# Altium PCB 11BRANMB10H2_20170927.pcbdoc (part 9 of 11) (continued)
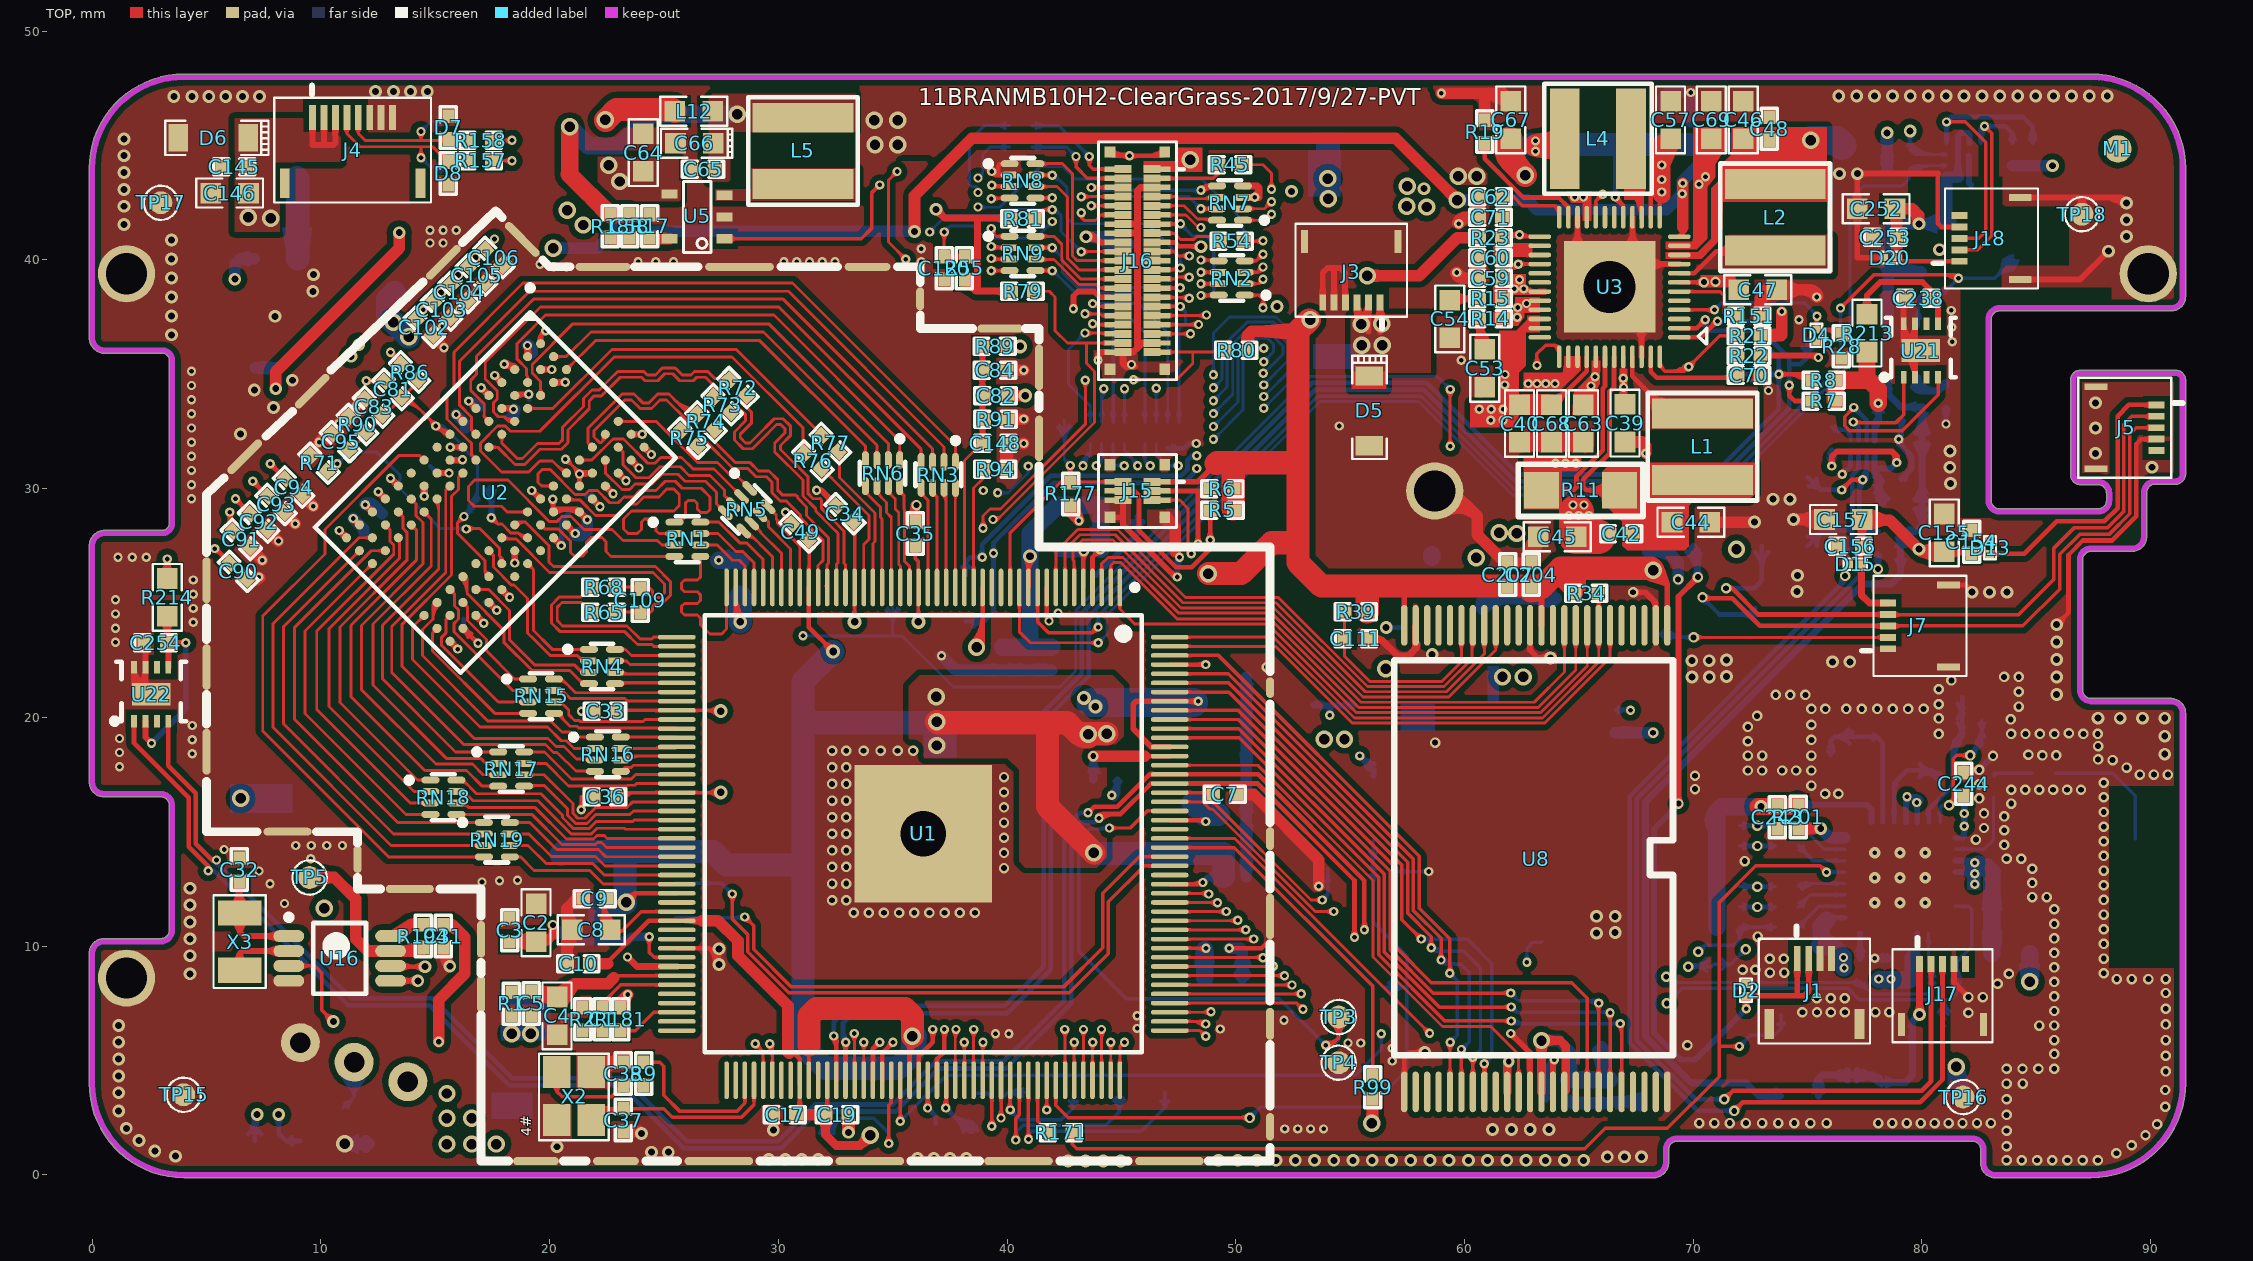
[diagram p0: TOP view]
## Nets (pads, with @x,y where several pads share a name; then routed paths per layer and width w, separated by ;. In a path a pad name is that pad's centre, name@x,y a point inside that pad or via, vN(x,y) a via of type N, cw(c..) or ccw(c..) an arc to the next point about the centre after c; other vN are vias at no path point) (continued)
  BOTTOM w0.203: v1@5.131,13.284 5.334,13.284 ; v1@5.14,13.226 cw(c5.281,13.084) 5.281,13.284 ; v1@5.142,13.367 ccw(c5.334,13.549) 5.334,13.284 ; v1(44.018,15.596) 43.84,15.418 43.205,15.418 42.799,15.012 42.799,7.493 39.954,4.648 37.008,4.648 35.128,2.769 31.725,2.769 30.122,1.166 25.86,1.166 23.115,3.912 18.238,3.912 14.733,7.417 11.201,7.417 5.334,13.284 ; v2(71.437,25.65) 72.677,25.65 73,25.972 TP36.1@73,27.5 ; v1(77,32.918) 77.231,32.687 U20.6@77.231,32.11 ; U10.4@82.576,45.119 82.576,45.695 82.728,45.847 v1(82.74,45.847) 83.654,45.847 83.96,45.542 R3.2@83.96,45.123 ; 71.744,25.65 ccw(c71.744,25.343) 71.527,25.56 cw(c71.744,25.343) 71.744,25.65 ; 71.744,25.65 cw(c71.744,25.956) 71.527,25.739 ccw(c71.744,25.956) 71.744,25.65 ; 73,26.538 ccw(c72.038,26.538) 72.718,27.218 cw(c72.038,26.538) 73,26.538 ; 73,26.538 cw(c73.962,26.538) 73.282,27.218 ccw(c73.962,26.538) 73,26.538 ; 77.173,32.745 ccw(c77,32.572) 77,32.817 cw(c77,32.572) 77.173,32.745 ; 77.173,32.745 cw(c77.346,32.918) 77.101,32.918 ccw(c77.346,32.918) 77.173,32.745 ; v1@82.812,45.775 cw(c82.985,45.602) 82.985,45.847 ; v1@82.812,45.775 ccw(c83.381,45.206) 82.576,45.206 cw(c83.381,45.206) v1@82.812,45.775 ; v1@82.812,45.775 cw(c82.985,45.602) 82.985,45.847 ; 82.985,45.847 cw(c82.985,46.092) 82.812,45.919 ccw(c82.985,46.092) 82.985,45.847 ; 83.96,45.532 ccw(c84.318,45.532) 84.065,45.278 cw(c84.318,45.532) 83.96,45.532 ; 83.96,45.532 cw(c83.601,45.532) 83.855,45.278 ccw(c83.601,45.532) 83.96,45.532 ; 82.576,45.696 cw(c82.891,45.696) 82.668,45.919 ccw(c82.891,45.696) 82.576,45.696
UART0_RX: TP55.1 U1.112 | length 46.4
  TOP w0.203: U1.112@36.935,4.133 36.935,5.064 37.26,5.389 v1(37.26,6.358) ; 37.26,6.113 ccw(c37.015,6.113) 37.188,6.286 cw(c37.015,6.113) 37.26,6.113 ; 37.26,6.113 cw(c37.505,6.113) 37.332,6.286 ccw(c37.505,6.113) 37.26,6.113
  Singal w0.203: v3(8.153,2.641) 7.518,3.276 7.518,6.406 8.334,7.221 15.134,7.221 18.169,4.187 35.558,4.187 37.26,5.889 v1(37.26,6.358) ; 7.85,2.945 ccw(c8.153,3.248) 8.153,2.819 cw(c8.153,3.248) 7.85,2.945 ; 7.85,2.945 cw(c7.546,2.641) 7.976,2.641 ccw(c7.546,2.641) 7.85,2.945 ; 37.26,6.113 ccw(c37.015,6.113) 37.188,6.286 cw(c37.015,6.113) 37.26,6.113 ; 37.26,6.113 cw(c37.505,6.113) 37.332,6.286 ccw(c37.505,6.113) 37.26,6.113
  BOTTOM w0.203: v3(8.153,2.641) 8.153,1.803 8.479,1.477 ; TP55.1@9.1,1.477 8.479,1.477 ; 8.153,2.212 ccw(c7.724,2.212) 8.028,2.516 cw(c7.724,2.212) 8.153,2.212 ; 8.153,2.212 cw(c8.583,2.212) 8.279,2.516 ccw(c8.583,2.212) 8.153,2.212 ; 8.479,1.477 ccw(c8.479,1.747) 8.73,1.647 cw(c8.479,1.747) 8.479,1.477 ; 8.479,1.477 cw(c8.479,1.175) 8.747,1.315 ccw(c8.479,1.175) 8.479,1.477
UART0_TX: TP54.1 U1.110 | length 51.3
  TOP w0.203: U1.110@36.135,4.133 36.135,5.182 36.752,5.799 v1(36.752,6.358) ; 36.752,6.113 ccw(c36.507,6.113) 36.68,6.286 cw(c36.507,6.113) 36.752,6.113 ; 36.752,6.113 cw(c36.997,6.113) 36.824,6.286 ccw(c36.997,6.113) 36.752,6.113
  Singal w0.203: v3(7.214,2.641) 7.214,6.532 8.208,7.526 15.26,7.526 18.295,4.491 35.432,4.491 36.752,5.812 v1(36.752,6.358) ; 7.214,3.071 ccw(c7.643,3.071) 7.339,2.767 cw(c7.643,3.071) 7.214,3.071 ; 7.214,3.071 cw(c6.784,3.071) 7.088,2.767 ccw(c6.784,3.071) 7.214,3.071 ; 36.752,6.113 ccw(c36.507,6.113) 36.68,6.286 cw(c36.507,6.113) 36.752,6.113 ; 36.752,6.113 cw(c36.997,6.113) 36.824,6.286 ccw(c36.997,6.113) 36.752,6.113
  BOTTOM w0.203: TP54.1@6.915,1.853 ccw(c6.691,2.282) 7.159,2.157 ccw(c7.419,2.087) TP54.1@7.29,1.85 ; 7.066,2.251 ccw(c6.922,2.395) v3@7.078,2.527 ; TP54.1@7.1,1.477 TP54.1@7.1,1.5 7.1,2.528 v3(7.214,2.641) ; v3@7.116,2.493 cw(c7.011,2.332) 7.177,2.235 ; 7.002,2.096 cw(c7.625,1.929) v3@7.302,2.487 ; 7.002,2.096 cw(c7.625,1.929) v3@7.302,2.487 ; 7.002,2.096 cw(c7.625,1.929) v3@7.302,2.487 ; v3@7.06,2.553 cw(c6.875,2.446) 7.081,2.391 ; v3@7.06,2.553 cw(c6.875,2.446) 7.081,2.391 ; v3@7.06,2.553 cw(c6.875,2.446) 7.081,2.391 ; v3@7.1,2.462 ccw(c8.062,2.462) 7.382,1.782 cw(c8.062,2.462) v3@7.1,2.462 ; v3@7.1,2.462 cw(c6.138,2.462) 6.818,1.782 ccw(c6.138,2.462) v3@7.1,2.462 ; 7.159,2.242 cw(c7.348,2.293) v3@7.278,2.475 ; 7.159,2.242 cw(c7.348,2.293) v3@7.278,2.475 ; 7.159,2.242 cw(c7.348,2.293) v3@7.278,2.475 ; TP54.1@7.1,1.938 cw(c7.917,1.938) 7.339,2.516 ccw(c7.917,1.938) TP54.1@7.1,1.938
UBOOT: TP3.1 TP57.1 U1.157 | length 39.2
  TOP w0.152: v1(44.475,15.164) 45.39,15.164 46.134,15.908 U1.157@47.11,15.908 ; v1@44.565,15.074 cw(c44.782,14.857) 44.782,15.164 cw(c44.782,15.47) v1@44.565,15.254 ; 54.169,5.655 54.5,5.986 ; TP3.1@54.5,6.9 54.5,5.986 ; 54.5,5.986 cw(c54.019,6.468) 53.949,5.791 ccw(c54.019,6.468) 54.5,5.986 ; 54.5,5.987 ccw(c53.727,5.987) 54.226,6.576 cw(c53.727,5.987) 54.5,5.987 ; 54.5,5.987 cw(c55.273,5.987) 54.774,6.576 ccw(c55.273,5.987) 54.5,5.987 ; 54.5,6.315 ccw(c54.005,6.315) 54.325,6.693 cw(c54.005,6.315) 54.5,6.315 ; 54.5,6.315 cw(c54.995,6.315) 54.675,6.693 ccw(c54.995,6.315) 54.5,6.315 ; v1@53.934,5.639 ccw(c53.976,6.056) 54.273,5.76 cw(c53.976,6.056) v1@53.934,5.639
  BOTTOM w0.152: 44.107,15.138 ccw(c44.107,15.532) v1@44.386,15.254 ; 44.23,15.138 cw(c44.23,14.919) v1@44.386,15.074 ; v1(44.475,15.164) 44.45,15.138 43.612,15.138 43.137,14.663 43.137,9.784 45.224,7.696 51.904,7.696 v1(53.936,5.664) 54.255,5.664 54.5,5.91 ; TP57.1@54.5,6.877 54.5,5.91 ; 53.72,5.881 ccw(c53.936,6.098) 53.936,5.791 cw(c53.936,6.098) 53.72,5.881 ; 53.72,5.881 cw(c53.503,5.664) 53.809,5.664 ccw(c53.503,5.664) 53.72,5.881 ; 54.243,5.664 ccw(c54.243,5.358) 54.026,5.574 cw(c54.243,5.358) 54.243,5.664 ; 54.243,5.664 cw(c54.243,5.971) 54.026,5.754 ccw(c54.243,5.971) 54.243,5.664 ; 54.5,5.91 ccw(c53.555,5.91) 54.207,6.593 cw(c53.555,5.91) 54.5,5.91 ; 54.5,5.91 cw(c55.445,5.91) 54.793,6.593 ccw(c55.445,5.91) 54.5,5.91 ; 54.5,6.266 ccw(c53.895,6.266) 54.313,6.704 cw(c53.895,6.266) 54.5,6.266 ; 54.5,6.266 cw(c55.105,6.266) 54.687,6.704 ccw(c55.105,6.266) 54.5,6.266
USB0-DM: R157.2 U1.93 | length 55.3
  TOP w0.127: R157.2@17.48,44.342 v1(18.351,44.342) ; v1@28.986,5.724 cw(c28.935,5.474) 29.181,5.54 ; v1(28.989,5.736) 29.335,5.39 U1.93@29.335,4.133 ; v1@29.001,5.739 ccw(c29.251,5.79) 29.185,5.544 ; 17.98,44.342 ccw(c17.98,43.892) 17.662,44.21 cw(c17.98,43.892) 17.98,44.342 ; 17.98,44.342 cw(c17.98,44.792) 17.662,44.474 ccw(c17.98,44.792) 17.98,44.342 ; 18.014,44.342 ccw(c18.014,44.679) 18.253,44.441 cw(c18.014,44.679) 18.014,44.342 ; 18.014,44.342 cw(c18.014,44.005) 18.253,44.243 ccw(c18.014,44.005) 18.014,44.342 ; 29.227,5.498 ccw(c28.989,5.259) 28.989,5.596 cw(c28.989,5.259) 29.227,5.498 ; 29.227,5.498 cw(c29.466,5.736) 29.129,5.736 ccw(c29.466,5.736) 29.227,5.498
  Singal w0.127: v1(18.351,44.342) 18.758,44.748 23.304,44.748 26.17,41.883 26.17,24.202 28.989,21.382 v1(28.989,5.736) ; 18.59,44.58 ccw(c18.828,44.342) 18.491,44.342 cw(c18.828,44.342) 18.59,44.58 ; 18.59,44.58 cw(c18.351,44.819) 18.351,44.482 ccw(c18.351,44.819) 18.59,44.58 ; 28.989,6.073 ccw(c29.326,6.073) 29.088,5.835 cw(c29.326,6.073) 28.989,6.073 ; 28.989,6.073 cw(c28.652,6.073) 28.89,5.835 ccw(c28.652,6.073) 28.989,6.073
USB0-DP: R158.2 U1.94 | length 56.1
  TOP w0.127: R158.2@17.48,45.231 v1(18.351,45.231) ; 29.596,5.515 cw(c29.741,5.599) v1@29.632,5.726 ; v1(29.624,5.736) 29.735,5.625 U1.94@29.735,4.133 ; v1@29.631,5.596 cw(c29.636,5.502) 29.718,5.549 cw(c29.786,5.589) v1@29.728,5.642 ; 29.672,5.383 cw(c29.841,5.481) v1@29.714,5.63 ; 17.98,45.231 ccw(c17.98,44.781) 17.662,45.099 cw(c17.98,44.781) 17.98,45.231 ; 17.98,45.231 cw(c17.98,45.681) 17.662,45.363 ccw(c17.98,45.681) 17.98,45.231 ; 18.014,45.231 ccw(c18.014,45.568) 18.253,45.33 cw(c18.014,45.568) 18.014,45.231 ; 18.014,45.231 cw(c18.014,44.894) 18.253,45.132 ccw(c18.014,44.894) 18.014,45.231 ; v1@29.525,5.637 cw(c29.018,5.13) 29.735,5.13 ccw(c29.018,5.13) v1@29.525,5.637 ; v1@29.615,5.727 cw(c29.325,5.437) 29.735,5.437 ccw(c29.325,5.437) v1@29.615,5.727
  Singal w0.127: v1@18.351,45.091 cw(c18.351,44.754) 18.59,44.992 cw(c18.828,45.231) v1@18.491,45.231 ; v1(18.351,45.231) 18.605,44.977 23.431,44.977 26.398,42.01 26.398,24.296 29.218,21.477 29.218,6.142 v1(29.624,5.736) ; 29.386,5.974 ccw(c29.624,6.213) 29.624,5.876 cw(c29.624,6.213) 29.386,5.974 ; 29.386,5.974 cw(c29.147,5.736) 29.484,5.736 ccw(c29.147,5.736) 29.386,5.974
USB0-IDET: R99.1 U1.153 | length 16.6
  TOP w0.152: U1.153@47.11,14.308 49.941,14.308 55.98,8.269 R99.1@55.98,4.331 ; 55.98,4.801 ccw(c56.399,4.801) 56.103,4.504 cw(c56.399,4.801) 55.98,4.801 ; 55.98,4.801 cw(c55.56,4.801) 55.857,4.504 ccw(c55.56,4.801) 55.98,4.801
USBVBUS: C145.2 C146.2 D6.1 J4.1 J4.2 J4.3 R15.1 TP33.1 U3.31 | length 69.2
  TOP w0.203: R15.1@61.636,38.311 62.119,38.794 v1@62.144,38.819 ; R15.1@61.832,38.284 cw(c62.345,38.188) v1@62.084,38.64 ; 62.005,38.561 cw(c62.179,38.387) v1@62.179,38.633 ; 62.006,38.562 ccw(c61.833,38.735) v1@62.078,38.735 ; v1@62.12,38.818 cw(c62.274,38.601) v1@62.462,38.789 ; v1@62.238,38.652 cw(c62.416,38.402) v1@62.632,38.619 ; 62.351,38.854 ccw(c62.477,39.073) v1@62.555,38.832 ; v1@62.354,38.773 ccw(c62.417,38.865) v1@62.505,38.797 ; 62.397,38.827 cw(c62.299,38.658) v1@62.487,38.709 ; v1@62.509,38.668 ccw(c62.179,38.383) v1@62.179,38.819 ; v1@62.513,38.664 ccw(c62.144,38.303) v1@62.144,38.819 ; v1@62.647,38.654 cw(c62.783,38.474) U3.31@62.896,38.669 ; v1@62.655,38.66 cw(c62.755,38.553) U3.31@62.828,38.68 ; v1@62.78,38.708 cw(c62.731,38.526) U3.31@62.894,38.62 ; U3.31@63.293,38.619 v1@62.632,38.619 ; v1@62.144,38.819 v1@62.179,38.819 ; v1@62.179,38.633 ccw(c62.179,38.1) 61.802,38.477 cw(c62.179,38.1) v1@62.179,38.633 ; v1@62.179,38.819 v1@62.46,38.819 ; v1@62.46,38.819 ccw(c62.46,38.616) 62.273,38.695 cw(c62.46,38.616) v1@62.46,38.819 ; v1@62.46,38.819 62.46,38.791 62.551,38.7 v1@62.632,38.619 ; R15.1@61.686,38.459 ccw(c61.686,38.697) 61.854,38.529 cw(c61.686,38.697) R15.1@61.686,38.459 ; R15.1@61.834,38.311 cw(c62.313,38.311) 61.975,38.65 ccw(c62.313,38.311) R15.1@61.834,38.311 ; v1@62.657,38.807 ccw(c63.11,39.26) 63.11,38.619 cw(c63.11,39.26) v1@62.657,38.807
  TOP w0.254: J4.1@9.632,46.23 9.632,45.02 10.546,45.02 10.632,45.106 J4.3@10.632,46.23 ; 10.132,45.063 J4.2@10.132,46.23
  Singal w1.524: v4@7.048,41.954 7.81,41.954 7.935,41.954 9.256,43.275 20.085,43.275 20.978,42.382 v4@21.577,41.783 ; 6.831,41.486 ccw(c6.831,43.022) 7.917,41.936 cw(c6.831,43.022) 6.831,41.486
  POWER w1.524: v4@20.84,42.139 21.462,41.516 21.736,41.243 34.296,41.243 38.671,45.618 52.819,45.618 54.038,44.399 54.038,43.561 v4(54.038,42.672)
  other v1: 62.179,38.735 62.586,38.735 62.408,39.141
  other v4: 21.475,41.529 7.81,41.829 6.831,41.867 20.774,42.178 54.025,43.561
VCC-5V: C158.2 C159.1 C226.1 C228.1 D14.1 J6.1 R189.2 TP34.1 U15.5 | length 44.3
  POWER w1.016: v4(18.351,6.172) 18.376,6.147 v4@19.164,6.147 ; v4(19.164,6.172) 19.811,6.82 26.746,6.82 30.34,10.414 40.885,10.414 42.543,12.072 42.543,16.423 43.591,17.471 45.631,17.471 47.159,18.999 53.864,18.999 54.753,18.999 v4@54.779,18.999
  other v4: 53.864,19.05 54.753,19.05
VCC-WIFI-3V3: C174.1 C175.1 C176.1 C243.2 C246.1 C247.1 C250.1 R176.2 R179.1 R200.1 R201.1 R204.2 R205.2 R206.2 R207.2 R208.2 U7.1 U7.3 U7.4 U7.11 U7.17 U7.29 U7.30 | length 49.2
  TOP w0.762: v3@72.847,16.103 72.96,16.103 73.67,16.103 74.544,16.103 R201.1@74.587,16.146 R201.1@74.553,16.18
  BOTTOM w0.254: 75.831,11.125 75.943,11.237 U7.17@76.618,11.237 ; U7.29@79.293,15.412 79.311,15.431 79.311,16.529 v1@79.348,16.529 ; v1@79.4,16.587 ccw(c79.698,16.904) 79.712,16.469 ; C246.1@79.446,9.433 79.405,9.474 79.508,9.578 79.793,9.863 ; U7.11@79.793,10.562 79.793,9.863 ; U7.30@79.793,15.412 79.793,16.277 v1@79.793,16.352 ; U7.4@81.468,13.237 82.083,13.237 ; U7.3@81.468,13.737 82.033,13.737 ; U7.1@81.468,14.737 81.729,14.737 81.855,14.863 81.851,14.867 ; C175.1@81.851,16.62 81.851,15.799 81.851,15.24 81.851,14.867 ; 82.063,13.698 ccw(c82.163,13.871) v1@82.271,13.704 ; v1@79.348,16.529 cw(c79.348,16.157) 79.706,16.257 ccw(c79.348,16.157) v1@79.348,16.529 ; v1@79.348,16.529 79.616,16.529 ; 79.616,16.529 cw(c79.401,16.314) 79.704,16.284 ccw(c79.401,16.314) 79.616,16.529 ; 79.616,16.529 v1@79.793,16.352 ; 79.793,9.863 ccw(c79.97,9.685) 79.763,9.544 cw(c79.97,9.685) 79.793,9.863 ; v1@79.793,16.352 ccw(c79.493,16.052) 79.37,16.458 cw(c79.493,16.052) v1@79.793,16.352 ; 81.851,14.867 cw(c81.716,14.867) 81.743,14.735 ccw(c81.716,14.867) 81.851,14.867 ; 81.851,16.273 ccw(c81.554,16.273) 81.764,16.483 cw(c81.554,16.273) 81.851,16.273 ; 81.851,16.273 cw(c82.148,16.273) 81.938,16.483 ccw(c82.148,16.273) 81.851,16.273 ; 82.033,13.737 cw(c82.033,13.502) 82.244,13.606 ccw(c82.033,13.502) 82.033,13.737 ; 82.033,13.737 ccw(c82.174,13.878) 82.274,13.706 cw(c82.174,13.878) 82.033,13.737 ; 82.033,13.737 v1@82.221,13.549 ; 82.083,13.237 cw(c82.083,13.059) 82.244,13.137 ccw(c82.083,13.059) 82.083,13.237 ; 82.083,13.237 82.164,13.318 ; 82.164,13.318 ccw(c81.951,13.531) 82.239,13.618 cw(c81.951,13.531) 82.164,13.318 ; 82.164,13.318 82.308,13.462 v1@82.221,13.549 ; v1@82.222,13.549 cw(c82.037,13.364) 82.25,13.214 ccw(c82.037,13.364) v1@82.222,13.549 ; 79.311,16.259 cw(c79.62,16.259) 79.402,16.477 ccw(c79.62,16.259) 79.311,16.259 ; 79.682,16.529 cw(c79.682,16.25) 79.951,16.325 ccw(c79.682,16.25) 79.682,16.529 ; v1@79.726,16.223 cw(c79.563,16.061) 79.793,16.061 ccw(c79.563,16.061) v1@79.726,16.223 ; U7.1@81.744,14.736 ccw(c81.487,14.993) 81.851,14.993 cw(c81.487,14.993) U7.1@81.744,14.736 ; 81.893,13.737 cw(c81.893,13.22) 82.259,13.586 ccw(c81.893,13.22) 81.893,13.737 ; 81.965,13.237 cw(c81.965,12.823) 82.259,13.116 ccw(c81.965,12.823) 81.965,13.237 ; 82.435,13.336 cw(c82.287,13.188) 82.458,13.067 ccw(c82.287,13.188) 82.435,13.336
  BOTTOM w0.762: R208.2@71.038,10.828 R207.2@71.038,11.717 R179.1@71.039,12.606 R206.2@71.038,14.384 R205.2@71.038,15.273 71.038,15.883 ; R204.2@73.72,16.159 73.653,16.092 72.96,16.092 71.248,16.092 ; 75.831,11.125 75.603,10.897 C250.1@75.603,9.974 76.14,9.974 ; v1@76.572,9.042 v1(76.572,9.499) 76.572,9.543 76.14,9.974 ; v1@78.143,8.534 78.651,8.534 R200.1@79.446,8.534 79.612,8.7 C246.1@79.612,9.474 ; v1@82.201,13.501 ccw(c82.373,13.715) 82.403,13.442 ; v1@82.293,13.354 ccw(c82.103,13.701) v1@82.483,13.59 ; v1@82.308,13.462 82.312,13.462 82.842,13.462 83.057,13.246 83.057,13.132 83.057,12.243 C174.1@83.057,11.1 R176.2@83.057,9.677 ; 71.038,15.883 ccw(c71.415,15.507) 70.982,15.197 cw(c71.415,15.507) 71.038,15.883 ; 71.038,15.883 71.248,16.092 ; 71.248,16.092 ccw(c71.964,15.376) 70.958,15.258 cw(c71.964,15.376) 71.248,16.092 ; 76.14,9.974 ccw(c75.799,9.633) 75.529,10.033 cw(c75.799,9.633) 76.14,9.974 ; C250.1@75.603,10.055 cw(c75.603,8.953) 76.382,9.732 ccw(c75.603,8.953) C250.1@75.603,10.055 ; v1@82.187,13.295 cw(c82.589,12.893) 82.589,13.462 ccw(c82.589,12.893) v1@82.187,13.295 ; 82.496,13.462 cw(c82.496,12.651) 83.07,13.224 ccw(c82.496,12.651) 82.496,13.462
  other v1: 78.117,8.56 78.651,8.56 76.597,9.042 82.312,12.7 82.312,13.17 82.312,13.64 81.855,15.24 81.855,15.799 79.78,16.277 79.348,16.531
  other v3: 72.96,16.111
VCCA: C242.1 R195.1 R209.2 U20.1 | length 15
  TOP w0.254: v1(76.06,30.988) 76.06,31.394 76.288,31.623 78.701,31.623 ; 78.824,31.501 ccw(c79.259,31.509) v1@78.957,31.195 ; v1(78.905,31.14) 78.905,31.42 78.701,31.623 ; 78.701,31.623 cw(c78.355,31.276) 78.831,31.159 ccw(c78.355,31.276) 78.701,31.623
  BOTTOM w0.254: v1(76.06,30.988) R209.2@76.06,31.682 ; U20.1@77.931,31.44 77.931,30.886 ; 78.186,30.01 cw(c78.583,30.117) C242.1@78.25,30.357 ; R195.1@78.308,29.312 78.079,29.54 C242.1@78.079,30.408 ; v1(78.905,31.14) 78.651,30.886 77.931,30.886 ; 76.06,31.335 ccw(c75.763,31.335) 75.973,31.545 cw(c75.763,31.335) 76.06,31.335 ; 76.06,31.335 cw(c76.357,31.335) 76.147,31.545 ccw(c76.357,31.335) 76.06,31.335 ; 77.931,30.886 ccw(c78.361,30.886) 78.119,30.531 cw(c78.361,30.886) 77.931,30.886 ; 77.931,30.886 77.931,30.557 C242.1@78.079,30.408 ; C242.1@78.079,30.408 ccw(c79.122,30.408) 78.5,29.571 cw(c79.122,30.408) C242.1@78.079,30.408 ; 78.079,29.903 ccw(c78.747,29.903) 78.349,29.367 cw(c78.747,29.903) 78.079,29.903 ; 78.079,30.082 cw(c78.447,30.082) 78.187,30.342 ccw(c78.447,30.082) 78.079,30.082
VINT: C60.1 U3.26 U3.27 | length 4.7
  TOP w0.152: C60.1@61.636,40.089 61.766,40.219 62.279,40.219 ; U3.27@63.293,40.219 62.279,40.219 ; U3.26@63.293,40.619 62.428,40.619 62.279,40.47 62.279,40.219 ; 62.279,40.219 ccw(c62.279,39.662) 61.827,39.987 cw(c62.279,39.662) 62.279,40.219 ; C60.1@61.703,40.076 cw(c61.982,39.876) 61.982,40.219 ccw(c61.982,39.876) C60.1@61.703,40.076
VLED+: C116.2 D12.1 J16.18 TP25.1 | length 46.6
  TOP w0.254: v3(43.447,41.014) 43.828,41.014 44.072,40.77 ; J16.18@45.065,40.77 J16.18@44.475,40.77 44.072,40.77 ; 43.815,41.014 ccw(c43.815,40.646) 43.554,40.907 cw(c43.815,40.646) 43.815,41.014 ; 43.815,41.014 cw(c43.815,41.382) 43.554,41.122 ccw(c43.815,41.382) 43.815,41.014 ; 44.072,40.77 ccw(c43.714,40.412) 43.508,40.875 cw(c43.714,40.412) 44.072,40.77 ; v3@43.405,41.107 cw(c43.553,40.775) 43.81,41.032 ccw(c43.553,40.775) v3@43.405,41.107
  Singal w0.508: v3(51.803,37.966) 51.829,37.941 51.829,36.121 52.959,34.99 52.959,24.663 55.499,22.123 v4(56.553,22.123)
  POWER w0.508: v3(43.447,41.014) 44.005,41.014 44.742,40.278 44.742,37.23 45.885,36.087 48.349,36.087 48.958,36.696 51.321,36.696 51.803,37.179 v3(51.803,37.966)
  BOTTOM w0.508: 44.159,40.86 ccw(c44.734,41.765) TP25.1@45.071,40.747 ; TP25.1@45.148,40.513 44.647,41.014 v3(43.447,41.014) ; v3(43.447,41.014) cw(c43.447,38.95) 44.967,40.347 ccw(c43.447,38.95) v3(43.447,41.014) ; 44.728,40.933 ccw(c45.148,41.353) 45.148,40.759 cw(c45.148,41.353) 44.728,40.933 ; 44.728,40.933 cw(c44.308,40.513) 44.902,40.513 ccw(c44.308,40.513) 44.728,40.933 ; 44.603,41.014 cw(c44.603,40.012) 45.341,40.69 ccw(c44.603,40.012) 44.603,41.014
VLED-: J16.17 R50.2 TP27.1 U9.1 | length 41.2
  TOP w0.203: J16.17@46.335,40.77 J16.17@46.925,40.77 47.33,40.77 47.505,40.595 48.463,40.595 v3(48.476,40.583) ; 48.016,40.595 cw(c48.016,40.123) 48.35,40.457 ccw(c48.016,40.123) 48.016,40.595 ; 48.077,40.595 ccw(c48.077,40.981) 48.35,40.708 cw(c48.077,40.981) 48.077,40.595
  Singal w0.508: v3(52.438,43.002) 52.438,36.373 55.512,33.299 59.372,33.299 60.515,32.156 v4(60.515,26.975) v4@60.515,26.924
  POWER w0.508: v3(48.476,40.583) 49.136,41.243 49.136,42.672 50.221,43.758 51.822,43.758 52.438,43.142 v3(52.438,43.002) ; 52.295,43.285 cw(c52.013,43.002) 52.412,43.002 ccw(c52.013,43.002) 52.295,43.285
  BOTTOM w0.508: 60.769,25.121 60.848,25.2 ; TP27.1@64,25.2 60.848,25.2 ; 60.848,25.2 ccw(c61.133,24.915) 60.791,24.703 cw(c61.133,24.915) 60.848,25.2 ; 63.406,25.2 ccw(c63.406,25.794) 63.826,25.374 cw(c63.406,25.794) 63.406,25.2 ; 63.406,25.2 cw(c63.406,24.606) 63.826,25.026 ccw(c63.406,24.606) 63.406,25.2 ; R50.2@60.792,24.708 cw(c61.979,23.521) 61.979,25.2 ccw(c61.979,23.521) R50.2@60.792,24.708
VOC_1V8: C236.1 R195.2 R196.1 R197.1 R198.2 TP46.1 U19.5 | length 56.8
  BOTTOM w0.305: R198.2@73.825,3.454 72.873,3.454 72.314,4.013 69.933,4.013 67.906,6.04 67.906,16.312 77.426,25.832 78.676,25.832 79.074,26.23 R197.1@79.074,27.178 R196.1@79.074,28.118 ; U19.5@78.534,34.857 78.534,34.127 79.082,33.579 C236.1@80.056,33.579 80.001,33.524 80.009,33.515 80.009,32.2 80.009,29.312 80.009,28.384 79.768,28.143 R196.1@79.1,28.143 ; 73.107,3.454 ccw(c73.107,4.173) 73.615,3.665 cw(c73.107,4.173) 73.107,3.454 ; 73.107,3.454 cw(c73.107,2.736) 73.615,3.244 ccw(c73.107,2.736) 73.107,3.454 ; R195.2@79.748,29.101 cw(c79.118,28.47) 80.009,28.47 ; R195.2@79.748,29.101 cw(c79.118,28.47) 80.009,28.47 ; R195.2@79.748,29.101 cw(c79.118,28.47) 80.009,28.47 ; 80.009,28.716 cw(c80.555,28.716) R195.2@80.169,29.101 ; 80.009,28.716 cw(c80.555,28.716) R195.2@80.169,29.101 ; 80.009,28.716 cw(c80.555,28.716) R195.2@80.169,29.101 ; R196.1@78.981,28.074 cw(c78.755,27.848) 79.074,27.848 ccw(c78.755,27.848) R196.1@78.981,28.074 ; R195.2@79.748,29.522 ccw(c79.118,30.153) 80.009,30.153 cw(c79.118,30.153) R195.2@79.748,29.522 ; TP46.1@79.754,31.954 cw(c79.138,31.338) 80.009,31.338 ccw(c79.138,31.338) TP46.1@79.754,31.954 ; TP46.1@79.754,32.446 ccw(c79.138,33.062) 80.009,33.062 cw(c79.138,33.062) TP46.1@79.754,32.446 ; 80.009,29.907 ccw(c80.555,29.907) 80.169,29.522 cw(c80.555,29.907) 80.009,29.907 ; 80.009,31.384 cw(c80.816,31.384) 80.246,31.954 ccw(c80.816,31.384) 80.009,31.384 ; 80.009,33.016 ccw(c80.816,33.016) 80.246,32.446 cw(c80.816,33.016) 80.009,33.016
VOC_SCL: J17.2 R196.2 TP47.1 U20.2 | length 64.2
  TOP w0.203: v2(71.361,3.302) 71.742,3.683 79.997,3.683 80.4,4.086 J17.2@80.4,9.225 ; v1(76.496,29.946) 76.939,30.39 v1(77.417,30.39) ; 71.578,3.519 ccw(c71.794,3.302) 71.488,3.302 cw(c71.794,3.302) 71.578,3.519 ; 71.578,3.519 cw(c71.361,3.736) 71.361,3.429 ccw(c71.361,3.736) 71.578,3.519 ; 76.669,30.12 ccw(c76.843,29.946) 76.597,29.946 cw(c76.843,29.946) 76.669,30.12 ; 76.669,30.12 cw(c76.496,30.293) 76.496,30.048 ccw(c76.496,30.293) 76.669,30.12 ; 77.172,30.39 ccw(c77.172,30.635) 77.345,30.462 cw(c77.172,30.635) 77.172,30.39 ; 77.172,30.39 cw(c77.172,30.144) 77.345,30.318 ccw(c77.172,30.144) 77.172,30.39
  BOTTOM w0.203: v2(71.361,3.302) 70.116,3.302 67.525,5.893 67.525,16.434 77.254,26.162 77.254,30.226 v1(77.417,30.39) 77.581,30.553 U20.2@77.581,31.44 ; TP47.1@75,30.5 75.554,29.946 ; v1(76.496,29.946) 75.554,29.946 ; 77.279,28.143 R196.2@78.1,28.143 ; 77.309,30.006 ccw(c76.988,30.192) v1@77.325,30.347 ; 71.054,3.302 ccw(c71.054,3.609) 71.271,3.392 cw(c71.054,3.609) 71.054,3.302 ; 71.054,3.302 cw(c71.054,2.995) 71.271,3.212 ccw(c71.054,2.995) 71.054,3.302 ; 75.554,29.946 ccw(c75.151,29.543) 75.062,30.106 cw(c75.151,29.543) 75.554,29.946 ; 75.554,29.946 cw(c75.957,30.349) 75.394,30.438 ccw(c75.957,30.349) 75.554,29.946 ; 76.251,29.946 ccw(c76.251,30.192) 76.424,30.018 cw(c76.251,30.192) 76.251,29.946 ; 76.251,29.946 cw(c76.251,29.701) 76.424,29.875 ccw(c76.251,29.701) 76.251,29.946 ; v1@77.345,30.462 ccw(c76.777,31.03) 77.581,31.03 cw(c76.777,31.03) v1@77.345,30.462 ; v1@77.345,30.462 ccw(c77.567,30.24) 77.254,30.24 cw(c77.567,30.24) v1@77.345,30.462 ; v1@77.489,30.318 ccw(c77.267,30.54) 77.581,30.54 cw(c77.267,30.54) v1@77.489,30.318 ; v1@77.489,30.318 ccw(c78.058,29.749) 77.254,29.749 cw(c78.058,29.749) v1@77.489,30.318 ; 77.692,28.143 ccw(c77.692,28.501) 77.945,28.248 cw(c77.692,28.501) 77.692,28.143 ; 77.692,28.143 cw(c77.692,27.785) 77.945,28.038 ccw(c77.692,27.785) 77.692,28.143
VOC_SDA: J17.3 R197.2 TP48.1 U20.3 | length 66.1
  TOP w0.203: v2(71.793,2.794) 72.174,3.175 79.92,3.175 80.9,4.155 J17.3@80.9,9.225 ; 72.009,3.011 ccw(c72.226,2.794) 71.92,2.794 cw(c72.226,2.794) 72.009,3.011 ; 72.009,3.011 cw(c71.793,3.228) 71.793,2.921 ccw(c71.793,3.228) 72.009,3.011
  Singal w0.203: v2(76.644,26.187) 77.778,26.187 v2(78.074,26.484) ; 76.951,26.187 ccw(c76.951,25.881) 76.734,26.098 cw(c76.951,25.881) 76.951,26.187 ; 76.951,26.187 cw(c76.951,26.494) 76.734,26.277 ccw(c76.951,26.494) 76.951,26.187 ; 77.858,26.267 ccw(c77.641,26.484) 77.947,26.484 cw(c77.641,26.484) 77.858,26.267 ; 77.858,26.267 cw(c78.074,26.051) 78.074,26.357 ccw(c78.074,26.051) 77.858,26.267
  BOTTOM w0.203: v2@71.767,2.794 70.193,2.794 67.221,5.767 67.221,16.56 76.631,25.971 76.631,26.187 76.631,26.226 v2@76.644,26.238 ; TP48.1@75,27.5 75.694,28.194 76.949,28.194 ; v2(76.644,26.187) v2@76.644,26.238 ; U20.3@77.231,31.44 77.231,30.864 76.949,30.582 76.949,28.194 ; v2(78.074,26.484) R197.2@78.074,27.178 ; 71.486,2.794 ccw(c71.486,3.101) 71.703,2.884 cw(c71.486,3.101) 71.486,2.794 ; 71.486,2.794 cw(c71.486,2.487) 71.703,2.704 ccw(c71.486,2.487) 71.486,2.794 ; 75.68,28.18 ccw(c76.36,27.5) 75.398,27.5 cw(c76.36,27.5) 75.68,28.18 ; 75.68,28.18 cw(c75,28.86) 75,27.898 ccw(c75,28.86) 75.68,28.18 ; v2@76.644,26.238 76.644,27.127 76.949,27.432 76.949,28.194 ; 76.644,26.494 ccw(c76.951,26.494) 76.734,26.277 cw(c76.951,26.494) 76.644,26.494 ; 76.644,26.494 cw(c76.337,26.494) 76.554,26.277 ccw(c76.337,26.494) 76.644,26.494 ; 78.074,26.791 ccw(c78.381,26.791) 78.164,26.574 cw(c78.381,26.791) 78.074,26.791 ; 78.074,26.791 cw(c77.768,26.791) 77.985,26.574 ccw(c77.768,26.791) 78.074,26.791 ; 78.074,26.82 ccw(c77.716,26.82) 77.969,27.073 cw(c77.716,26.82) 78.074,26.82 ; 78.074,26.82 cw(c78.433,26.82) 78.179,27.073 ccw(c78.433,26.82) 78.074,26.82 ; 76.283,25.622 ccw(c75.718,26.187) 76.517,26.187 cw(c75.718,26.187) 76.283,25.622
VPS: R32.2 R35.1 U8.38 | length 6.8
  TOP w0.254: U8.38@63.867,3.624 63.867,4.974 v1(63.93,5.037) ; 63.867,4.701 cw(c64.266,4.701) 63.984,4.983 ccw(c64.266,4.701) 63.867,4.701
  BOTTOM w0.254: R35.1@63.557,3.259 R32.2@63.557,4.148 63.557,4.664 v1(63.93,5.037) ; 63.557,3.556 ccw(c63.854,3.556) 63.644,3.346 cw(c63.854,3.556) 63.557,3.556 ; 63.557,3.556 cw(c63.26,3.556) 63.47,3.346 ccw(c63.26,3.556) 63.557,3.556 ; 63.557,3.851 ccw(c63.26,3.851) 63.47,4.061 cw(c63.26,3.851) 63.557,3.851 ; 63.557,3.851 cw(c63.854,3.851) 63.644,4.061 ccw(c63.854,3.851) 63.557,3.851 ; 63.557,4.445 ccw(c63.854,4.445) 63.644,4.235 cw(c63.854,4.445) 63.557,4.445 ; 63.557,4.445 cw(c63.26,4.445) 63.47,4.235 ccw(c63.26,4.445) 63.557,4.445
VRA1: C1.2 U1.83 | length 6
  TOP w0.152: C1.2@22.233,7.252 22.233,7.307 22.233,7.424 23.116,8.308 U1.83@25.56,8.308 ; C1.2@22.284,7.377 ccw(c22.09,7.819) 22.556,7.694 ; C1.2@22.314,7.357 cw(c22.671,7.357) 22.418,7.61 ccw(c22.671,7.357) C1.2@22.314,7.357 ; C1.2@22.466,7.357 cw(c23.191,7.357) 22.678,7.87 ccw(c23.191,7.357) C1.2@22.466,7.357
VRA2: C4.2 C5.2 R1.2 U1.82 | length 11.8
  TOP w0.152: 22.809,8.611 22.906,8.708 U1.82@25.56,8.708
  TOP w0.508: R1.2@18.314,7.986 19.193,7.986 20.324,7.986 C4.2@20.712,7.986 ; 19.746,7.891 ccw(c19.947,8.237) C4.2@20.2,7.927 ; C4.2@20.324,7.776 20.501,7.776 C4.2@20.712,7.986 ; 22.809,8.611 22.554,8.356 21.082,8.356 C4.2@20.712,7.986 ; C5.2@19.343,7.986 cw(c19.343,6.795) 20.185,7.637 ccw(c19.343,6.795) C5.2@19.343,7.986 ; C4.2@20.324,7.972 ccw(c20.324,8.873) 20.961,8.236 cw(c20.324,8.873) C4.2@20.324,7.972